# KiCad board slime88.kicad_pcb (continued)
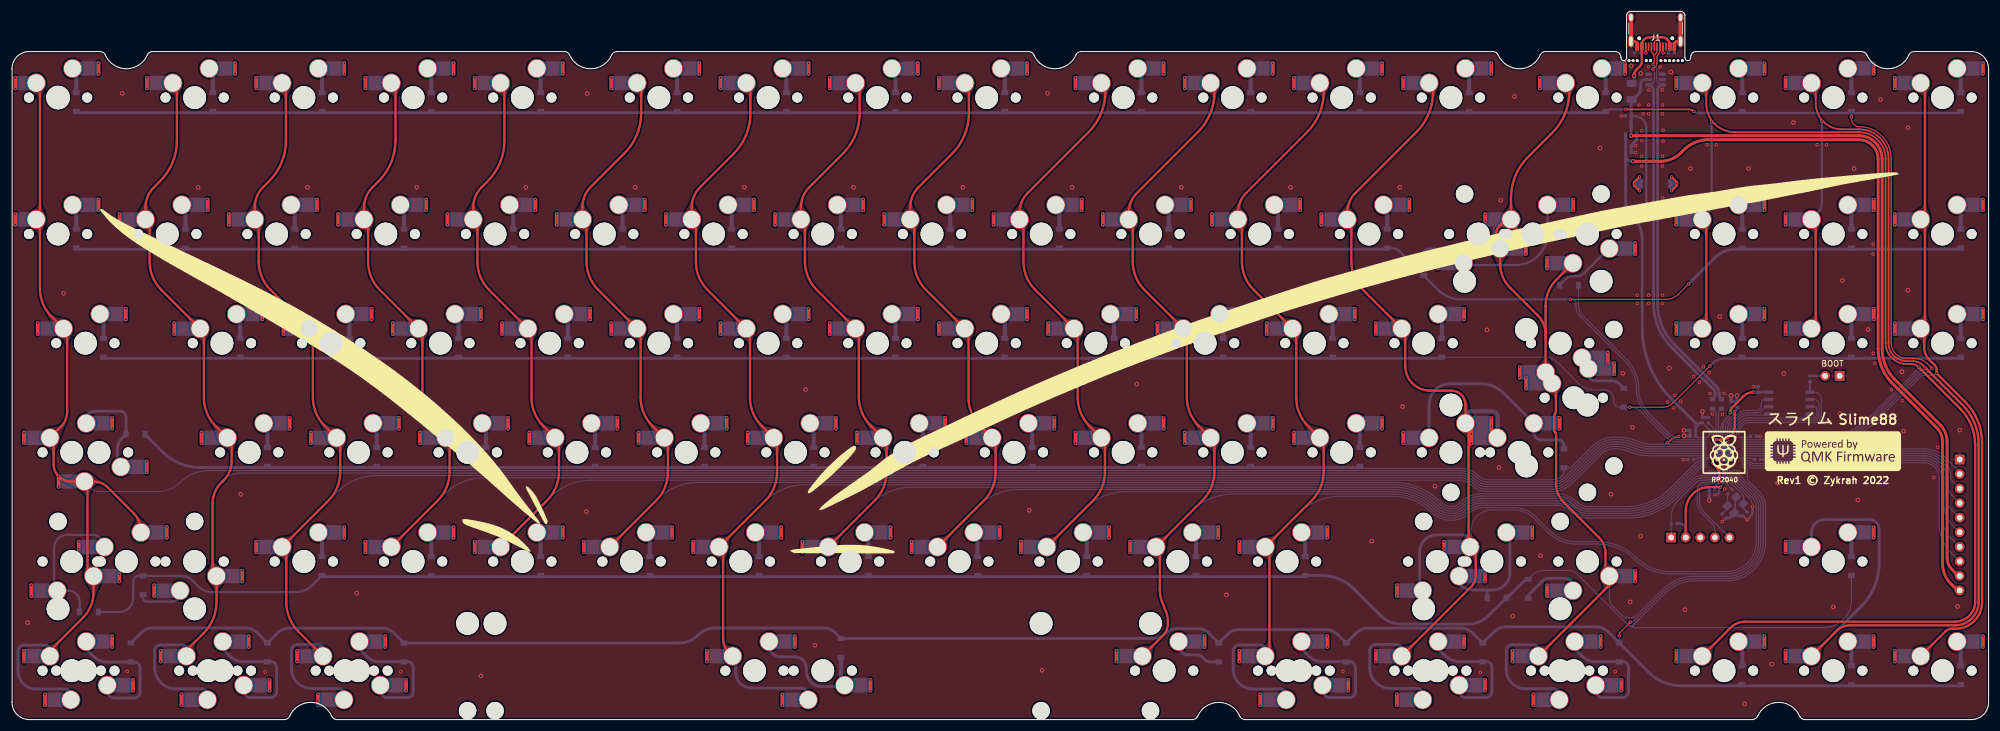
[diagram p0: board, top side]
## Nets (continued)
Net-(D19-Pad2): D19.2 SW19.2
Net-(D20-Pad2): D20.2 SW20.2
Net-(D21-Pad2): D21.2 SW21.2
Net-(D22-Pad2): D22.2 SW22.2
Net-(D23-Pad2): D23.2 SW23.2
Net-(D24-Pad2): D24.2 SW24.2
Net-(D25-Pad2): D25.2 SW25.2
Net-(D26-Pad2): D26.2 SW26.2
Net-(D27-Pad2): D27.2 SW27.2
Net-(D28-Pad2): D28.2 SW28.2
Net-(D29-Pad2): D29.2 SW29.2
Net-(D30-Pad2): D30.2 SW30.2
Net-(D31-Pad2): D31.2 SW31.2 SW32.2
Net-(D32-Pad2): D32.2 SW33.1
Net-(D33-Pad2): D33.2 SW34.2
Net-(D34-Pad2): D34.2 SW35.2
Net-(D35-Pad2): D35.2 SW36.2
Net-(D36-Pad2): D36.2 SW37.2
Net-(D37-Pad2): D37.2 SW38.2
Net-(D38-Pad2): D38.2 SW39.2
Net-(D39-Pad2): D39.2 SW40.2
Net-(D40-Pad2): D40.2 SW41.2
Net-(D41-Pad2): D41.2 SW42.2
Net-(D42-Pad2): D42.2 SW43.2
Net-(D43-Pad2): D43.2 SW44.2
Net-(D44-Pad2): D44.2 SW45.2
Net-(D45-Pad2): D45.2 SW46.2
Net-(D46-Pad2): D46.2 SW47.2
Net-(D47-Pad2): D47.2 SW48.2
Net-(D48-Pad2): D48.2 SW49.2
Net-(D49-Pad2): D49.2 SW50.1 SW51.2
Net-(D50-Pad2): D50.2 SW52.2
Net-(D51-Pad2): D51.2 SW53.2
Net-(D52-Pad2): D52.2 SW54.2
Net-(D53-Pad2): D53.2 SW55.2 SW56.1
Net-(D54-Pad2): D54.2 SW57.2
Net-(D55-Pad2): D55.2 SW58.2
Net-(D56-Pad2): D56.2 SW59.2
Net-(D57-Pad2): D57.2 SW60.2
Net-(D58-Pad2): D58.2 SW61.2
Net-(D59-Pad2): D59.2 SW62.2
Net-(D60-Pad2): D60.2 SW63.2
Net-(D61-Pad2): D61.2 SW64.2
Net-(D62-Pad2): D62.2 SW65.2
Net-(D63-Pad2): D63.2 SW66.2
Net-(D64-Pad2): D64.2 SW67.2
Net-(D65-Pad2): D65.2 SW68.1 SW69.2
Net-(D66-Pad2): D66.2 SW70.2 SW71.1
Net-(D67-Pad2): D67.2 SW72.2
Net-(D68-Pad2): D68.2 SW73.2
Net-(D69-Pad2): D69.2 SW74.2
Net-(D70-Pad2): D70.2 SW75.2
Net-(D71-Pad2): D71.2 SW76.2
Net-(D72-Pad2): D72.2 SW77.2
Net-(D73-Pad2): D73.2 SW78.2
Net-(D74-Pad2): D74.2 SW79.2
Net-(D75-Pad2): D75.2 SW80.2
Net-(D76-Pad2): D76.2 SW81.2
Net-(D77-Pad2): D77.2 SW82.2
Net-(D78-Pad2): D78.2 SW83.1 SW84.2
Net-(D79-Pad2): D79.2 SW85.2
Net-(D80-Pad2): D80.2 SW86.2
Net-(D81-Pad2): D81.2 SW87.2 SW88.1
Net-(D82-Pad2): D82.2 SW89.2 SW90.1
Net-(D83-Pad2): D83.2 SW91.2 SW92.1
Net-(D84-Pad2): D84.2 SW93.2 SW94.1
Net-(D85-Pad2): D85.2 SW95.2
Net-(D86-Pad2): D86.2 SW96.2 SW97.1
Net-(D87-Pad2): D87.2 SW98.2 SW99.1
Net-(D88-Pad2): D88.2 SW100.2 SW101.1
Net-(D89-Pad2): D89.2 SW102.2
Net-(D90-Pad2): D90.2 SW103.2
Net-(D91-Pad2): D91.2 SW104.2

Pads without a net: J1 A8 B8; J3 MP; U3 1 6

## Via types
v1: diameter 0.6, hole 0.3, Top to Bottom, 518 vias
v2: diameter 0.8, hole 0.4, Top to Bottom, 79 vias

## Routing (per net, layer and track width the routed paths; a pad name or vN(x,y) marks a point on that pad's centre or on a via; arc(x,y) is an arc through that point)
+1V1: length 23.4
  Top w0.4: v1(296.56,44.76) 297.09,44.24 arc(297.57,43.52) 297.74,42.67 v1(297.74,41.44) ; v1(300.41,53.74) 300.41,51.23 arc(299.71,49.54) 298.02,48.84 v1(296.84,48.84)
  Bottom w0.2: 296.74,48.99 U2.45 296.74,50.55 arc(296.68,50.84) 296.52,51.09 C1.1 ; v1(297.74,41.44) 297.94,41.64 U2.23 ; U2.50 298.74,50.52 arc(298.97,51.67) 299.62,52.64 300.2,53.23 arc(300.36,53.46) v1(300.41,53.74)
  Bottom w0.3: 296.59,45.45 296.59,44.78 v1(296.56,44.76)
  Bottom w0.4: C2.1 296.92,40.42 arc(296.96,40.61) 297.07,40.77 v1(297.74,41.44) ; v1(300.41,53.74) 300.65,53.98 arc(300.78,54.17) 300.82,54.4 C3.1
+3V3: length 241.1
  Top w0.4: v1(297.94,40.58) 297.93,40.57 295.83,40.57 arc(293.01,39.27) 291.85,36.39 J2.2 ; v1(303.64,57.13) arc(302.72,56.95) 301.94,56.42 300.05,54.54 arc(299.74,54.08) v1(299.63,53.53)
  Top w0.5: J4.10 339.26,22.52 338.12,23.66 arc(337.02,25.3) 336.64,27.25 336.64,48.46 arc(336.37,49.79) 335.61,50.93 327.92,58.62 arc(326.06,61.41) 325.41,64.7 325.41,97.81 arc(324.42,100.19) 322.03,101.18 295.75,101.18 arc(293.49,100.73) 291.57,99.45 291.02,98.89 arc(289.39,97.81) 287.48,97.42 v2(282.66,97.42)
  Bottom w0.2: 299.07,52.67 298.72,52.32 arc(298.14,51.45) 297.94,50.42 U2.48 ; 299.07,52.67 299.42,53.02 arc(299.58,53.25) v1(299.63,53.53) ; 299.07,52.67 arc(298.53,51.85) 298.34,50.89 U2.49 ; C10.1 293.82,49.23 U2.42 295.62,49.23 295.94,49.54 ; 295.89,45.62 U2.33 294.08,45.62 arc(293.9,45.59) 293.74,45.48 arc(293.6,45.39) 293.44,45.36 C6.1 ; 295.94,49.54 296.34,49.94 U2.44 ; 295.94,49.54 U2.43 ; 301.2,49.23 U2.1 302.79,49.23 303,49.44 C12.1 ; 295.94,50.61 296.34,50.21 U2.44 ; 295.94,50.61 C5.1 ; 295.94,50.61 U2.43 ; U2.49 298.34,49.34 ; U2.49 U2.48 ; U2.43 U2.44 ; 301.21,45.62 U2.10 303.08,45.62 arc(303.27,45.59) 303.43,45.48 arc(303.54,45.41) 303.67,45.38 C8.1 ; U2.48 297.94,49.33 ; v1(297.94,40.58) 298.04,40.69 arc(298.26,41.01) 298.34,41.39 U2.22 298.34,43.92
  Bottom w0.4: J2.2 291.91,31.83 291.91,33.02 arc(291.57,33.85) 290.74,34.19 R1.1 ; v1(297.94,40.58) 297.69,40.34 297.69,39.72 arc(297.55,39.37) 297.19,39.22 C9.1 ; C7.1 299.78,54.16 299.63,54.02 v1(299.63,53.53)
  Bottom w0.5: U4.8 304.5,57.12 C17.1 v1(303.64,57.13) ; v2(282.66,97.42) 282.4,97.42 arc(281.69,97.72) 281.4,98.42 C4.1 ; C10.1 C11.1 293.59,51.12 294.24,51.77 C5.1 ; U1.2 281.4,98.99 281.38,98.97 281.38,90.71 arc(281.69,89.1) 282.61,87.74 282.76,87.59 arc(283.87,85.92) 284.27,83.94 284.27,68.28 arc(285.59,61.61) 289.37,55.95 293.9,51.43
+5V: length 154.5
  Top w0.5: v2(282.35,101.89) 322.06,101.89 arc(324.92,100.7) 326.11,97.84 326.11,64.7 arc(326.68,61.79) 328.33,59.32 336.21,51.44 arc(337.12,50.09) 337.43,48.5 337.43,28.27 arc(337.66,27.13) 338.31,26.15 339.4,25.06 J4.9
  Bottom w0.4: J3.1 284.99,89.73 284.99,103.3 arc(284.4,104.72) 282.98,105.31 C13.2
  Bottom w0.5: v2(282.35,101.89) U1.3 282.34,103.65 282.34,108.1 F1.2 282.68,108.18 283.5,109.01 ; 284,110.21 284,110.93 arc(284.2,111.43) 284.68,111.68 285.41,111.68 U3.5 ; 284,110.21 arc(283.88,109.56) 283.5,109.01 ; 284,110.21 arc(283.88,109.56) 283.5,109.01
GND: length 49.4
  Top w0.5: J1.A1 289.88,117.99 290.1,118.21 arc(290.25,118.31) 290.43,118.35 J1.S1 ; J1.S1 282.77,118.35 arc(283.02,118.3) 283.24,118.15 283.38,118.01 J1.A12
  Top w0.7: J1.S1 J1.S1 ; J1.S1 J1.S1
  Bottom w0.2: v1(303.5,37.14) 303.5,37.28 arc(303.35,38.05) 302.92,38.7 300.03,41.58 arc(299.67,42.13) 299.54,42.77 U2.19
  Bottom w0.3: Y1.4 300.47,36.25 300.47,38.65
  Bottom w0.4: 282.34,98.97 v1(283.12,98.97) ; C15.1 v1(302.54,34.84) 303.21,35.51 arc(303.43,35.83) 303.5,36.21 v1(303.5,37.14) ; C8.2 304.87,45.38 v1(305.68,45.38) ; C14.1 v1(283.13,100.13) ; C13.1 280.61,105.31 v1(280.6,105.3) ; v1(304.85,49.44) C12.2 ; v1(298.22,34.55) 298.86,35.18 C16.1 ; C6.2 v1(291.42,45.36)
  Bottom w0.5: C16.1 299.13,35.18 arc(299.51,35.26) 299.83,35.47 300.31,35.95 Y1.4 300.58,35.81 arc(300.9,35.6) 301.28,35.52 C15.1 ; v2(291.56,50.46) C11.2 C10.2 291.6,49.46 v2(291.54,49.52) ; U1.1 283.3,101.12 282.34,100.16 282.34,98.97 ; v2(295.96,38.25) C9.2 C2.2 ; C17.2 v1(303.63,58.09) ; C1.2 295.82,52.73 C5.2 294.78,53.77 v2(294.78,53.77) ; v2(299.76,56.53) 299.76,55.46 C7.2 C3.2 300.81,55.46 v2(300.81,56.53)
  vias: v1(20.1,8.39) v1(44.14,8.31) v1(67.8,8.35) v1(232.07,8.39) v1(256.04,8.26) v1(279.56,8.35) v1(283.4,74.05) v1(283.42,72.61) v1(283.71,107.24) v1(284.18,102.75) v1(284.18,101.03) v1(284.18,98.29) v1(284.18,96.57) v1(284.42,105.72) v1(285.41,113.91) v1(285.38,107.24) v1(285.38,105.72) v1(285.38,88.24) v1(285.38,74.05) v1(285.4,72.61) v1(285.44,109.87) v1(287.38,113.89) v1(287.77,109.89) v1(287.81,107.24) v1(287.81,105.72) v1(287.81,98.3) v1(287.8,96.58) v1(287.81,91) v1(287.81,88.24) v1(287.81,74.04) v1(287.8,72.61) v1(287.91,102.85) v1(287.91,100.92) v1(288.71,55.41) v1(289.73,54.39) v1(289.97,56.57) v1(290.96,55.57) v1(293.25,59.87) v1(294.25,58.87) v1(294.96,61.56) v1(295.56,100.32) v1(295.96,60.57) v1(296.11,56.9) v1(296.5,53.32) v1(297.18,100.32) v1(298.25,53.25) v1(298.55,56.9) v1(298.66,40.21) v1(314.78,100.32) v1(316.41,100.32) v1(324.55,82.95) v1(324.54,81.22) v1(324.56,63.91) v1(324.88,62.18) v1(327.75,57.57) v1(329.65,55.67) v1(335.13,42.23) v1(335.79,47.49) v2(2.72,16.91) v2(9.01,74.38) v2(19.21,109.29) v2(32.45,92.88) v2(39.87,39.32) v2(51.51,92.88) v2(60.09,22.07) v2(62.7,58.75) v2(70.56,92.88) v2(81.77,7.62) v2(89.61,92.88) v2(100.13,36.3) v2(100.3,109.23) v2(108.66,92.88) v2(127.7,92.88) v2(138.38,57.59) v2(140.02,12.95) v2(146.75,92.88) v2(165.81,92.88) v2(177.39,36.52) v2(179.61,8.6) v2(180.6,109.29) v2(184.86,92.88) v2(196.11,58.53) v2(203.91,92.88) v2(211.75,21.77) v2(222.96,92.88) v2(237.11,31.13) v2(242,92.88) v2(242.48,54.6) v2(248.12,40.73) v2(257.19,68.01) v2(259.3,43.97) v2(259.6,90.63) v2(261.68,18.04) v2(262,108.73) v2(266.53,28.6) v2(271.69,86.72) v2(276.9,99.75) v2(278.81,39.32) v2(280.91,60.4) v2(282.18,20.53) v2(282.32,114.08) v2(282.56,50.99) v2(284.02,112.77) v2(283.94,32) v2(289,61.33) v2(289.28,113.01) v2(291.72,19.17) v2(292.68,96.16) v2(297.8,70.32) v2(302.1,2.75) v2(302.79,96.16) v2(306.86,9.67) v2(307.9,41.25) v2(308.97,60.39) v2(310.63,104.18) v2(317.59,19.64) v2(318.79,53.38) v2(319.16,76.6) v2(321.22,96.16) v2(321.88,38.31) v2(323.67,68.07) v2(325.81,108.18) v2(329.56,60.71) v2(329.86,50.33) v2(330.61,103.29) v2(330.59,74.92) v2(339.28,19.74) v2(339.65,50.5)
VBUS: length 14.1
  Top w0.25: 284.18,115.17 284.18,114.75
  Top w0.4: 284.18,115.17 J1.A9 284.18,117.81 arc(284.26,118.19) 284.47,118.52 284.65,118.69 arc(285.06,118.96) 285.54,119.06 287.83,119.06 arc(288.21,118.98) 288.54,118.76 288.79,118.52 arc(289.01,118.19) 289.08,117.81 J1.A4 ; v2(282.87,112.34) 282.87,112.49 arc(282.97,112.98) 283.25,113.4 283.89,114.04 arc(284.11,114.37) 284.18,114.75
  Bottom w0.5: F1.1 282.87,111.44 v2(282.87,112.34)
(no net): length 13
  Top w0.4: 289.4,92.3 v1(289.41,92.29) 290.31,93.19 v1(290.31,93.5) 290.31,93.79 v1(289.4,94.7) ; v1(283.8,94.7) 282.88,93.79 v1(282.88,93.49) 282.88,93.2 v1(283.8,92.29)
  Bottom w0.5: J3.MP v1(283.8,94.7) ; J3.MP 282.89,93.49 v1(282.88,93.49) ; J3.MP v1(283.8,92.29) ; J3.MP v1(289.4,94.7) ; J3.MP 290.3,93.49 v1(290.31,93.5) ; J3.MP 289.4,92.3 v1(289.41,92.29)
/CC1: length 2.1
  Top w0.2: J1.A5 287.88,116.34 v1(287.9,116.33)
  Bottom w0.2: R6.1 288.78,116.33 v1(287.9,116.33)
/CC2: length 2.1
  Top w0.2: J1.B5 284.88,116.35 v1(284.88,116.35)
  Bottom w0.2: R7.1 284.84,116.39 v1(284.88,116.35)
/D_+: length 4.4
  Bottom w0.2: R2.2 297.86,54.01 arc(297.62,53.65) 297.54,53.23 U2.47
/D_-: length 4.4
  Bottom w0.2: R3.2 296.84,53.92 arc(297.06,53.6) 297.14,53.22 U2.46
/XTAL_O: length 3.8
  Bottom w0.2: 299.11,39.27 Y1.1 299.11,36.77 C16.2
/~{USB_BOOT}: length 2.6
  Bottom w0.4: R5.1 SW0.2
COL0: length 453.7
  Top w0.4: SW1.1 4.87,110.43 4.87,87.92 4.22,87.27 4.87,86.62 4.87,75.23 arc(5.4,72.55) 6.92,70.28 SW37.1 9.62,67.58 9.62,53.72 arc(9.33,52.3) 8.53,51.1 SW55.1 7.25,48.52 7.25,44.55 arc(8.12,42.42) 10.25,41.55 12.62,41.55 ; SW71.2 22.47,32.99 arc(22.15,34.61) 21.23,35.98 16.72,40.49 arc(15.55,41.27) 14.18,41.55 SW56.2 13.16,41.02 13.16,26.1 SW70.1 14.22,22.24 arc(13.73,19.82) 12.36,17.77 6.6,12 SW87.1
  Top w0.6: v1(18.73,24.09) v1(18.73,25.33) ; v1(26.99,33.59) v1(26.99,31.72) ; v1(0.6,88.2) v1(0.6,86.33) ; v1(0.6,112.02) v1(0.6,110.14) ; v1(8.11,40.6) v1(8.11,42.49) ; v1(4.47,69.16) v1(4.47,67.28) ; v1(2.08,12) v1(2.08,10.12) ; v1(5.73,2.5) v1(5.73,4.38) ; v1(2.08,50.11) v1(2.08,48.23)
  Bottom w0.2: U2.38 285.93,47.62 arc(284.87,47.71) 283.83,47.98 282.46,48.46 arc(281.26,48.76) 280.02,48.87 279.33,48.87 arc(277.46,48.5) 275.87,47.44 270.74,42.31 arc(269.78,41.67) 268.65,41.44 257.33,41.44 arc(256.32,41.64) 255.47,42.21 arc(254.12,43.12) 252.52,43.43 34.19,43.43 arc(31.59,42.91) 29.38,41.44 arc(27.54,40.21) 25.37,39.78 15.3,39.78 arc(14.46,39.94) 13.76,40.41 SW56.2
  Bottom w0.5: 6.63,10.96 6.63,12.45 6.38,12.7 arc(6.06,12.92) 5.67,12.99 2.04,12.99 arc(1.33,12.7) 1.04,11.99 1.04,8.49 arc(1.97,6.25) 4.2,5.32 9.23,5.32 arc(9.62,5.25) 9.94,5.03 10.29,4.69 10.29,3.34
COL1: length 427.2
  Top w0.4: SW89.1 30.41,12.07 33.37,15.03 arc(35.05,17.56) 35.65,20.53 SW72.1 34.98,25.71 34.98,37.73 arc(35.36,39.64) 36.44,41.26 36.84,41.66 arc(37.92,43.29) 38.31,45.2 38.31,48.41 SW57.1 35.51,51.21 arc(33.99,53.48) 33.45,56.16 33.45,67.55 SW38.1 26.05,74.96 arc(24.53,77.23) 24,79.91 24,86.53 23.27,87.27 23.27,89.34 arc(23.65,91.25) 24.73,92.87 25.82,93.96 arc(27.98,97.2) 28.75,101.03 28.75,110.36 SW2.1
  Top w0.6: v1(18.75,88.2) v1(18.75,86.33) ; v1(40.16,24.09) v1(40.16,25.97) ; v1(28.28,69.16) v1(28.28,67.28) ; v1(23.52,112.02) v1(23.52,110.14) ; v1(29.54,2.5) v1(29.54,4.38) ; v1(25.9,12) v1(25.9,10.12) ; v1(33.04,50.11) v1(33.04,48.23)
  Bottom w0.2: U2.37 285.77,47.23 arc(284.63,47.32) 283.53,47.61 282.22,48.07 arc(281.09,48.37) 279.92,48.47 279.33,48.47 arc(277.62,48.13) 276.17,47.16 271.03,42.02 arc(269.95,41.29) 268.67,41.04 257.25,41.04 arc(256.16,41.26) 255.23,41.88 arc(253.97,42.72) 252.48,43.02 40,43.02 arc(36.45,41.55) 34.98,37.99 34.98,25.71 SW72.1
  Bottom w0.5: 34.12,3.38 34.12,4.73 33.77,5.07 arc(33.45,5.29) 33.06,5.36 28.56,5.36 arc(25.95,6.44) 24.87,9.06 24.87,12.03 arc(25.16,12.74) 25.87,13.03 29.5,13.03 arc(29.89,12.96) 30.21,12.74 30.46,12.49 30.46,11
COL2: length 406.4
  Top w0.4: SW91.1 49.99,15.29 arc(48.38,17.71) 47.81,20.55 47.81,29.38 SW73.1 55.17,38.21 arc(56.69,40.48) 57.23,43.16 57.23,48.54 SW58.1 54.51,51.26 arc(52.99,53.53) 52.45,56.21 52.45,67.6 SW39.1 45.06,75 arc(43.54,77.27) 43.01,79.95 43.01,86.58 42.31,87.27 42.31,89.37 arc(42.7,91.28) 43.78,92.9 44.83,93.95 arc(46.99,97.19) 47.76,101.02 47.76,110.4 SW3.1
  Top w0.6: v1(52.09,50.11) v1(52.09,48.23) ; v1(49.71,12) v1(49.71,10.12) ; v1(53.36,3.29) v1(53.36,4.38) ; v1(47.33,69.16) v1(47.33,67.28) ; v1(37.8,88.2) v1(37.8,86.33) ; v1(42.56,31.06) v1(42.56,29.18) ; v1(42.56,112.02) v1(42.56,110.14)
  Bottom w0.2: U2.36 285.63,46.83 arc(284.43,46.93) 283.27,47.23 281.98,47.69 arc(280.92,47.97) 279.82,48.07 279.34,48.07 arc(277.8,47.76) 276.48,46.88 276.48,46.88 271.32,41.71 arc(270.12,40.91) 268.7,40.63 257.21,40.63 arc(256.01,40.87) 255,41.54 arc(253.83,42.32) 252.46,42.6 63.7,42.6 arc(59.87,41.84) 56.63,39.67 SW73.1
  Bottom w0.5: 57.95,3.42 57.95,4.77 57.61,5.11 arc(57.29,5.33) 56.9,5.4 52.25,5.4 arc(49.75,6.44) 48.71,8.95 48.71,12.07 arc(49,12.78) 49.71,13.07 53.34,13.07 arc(53.73,13) 54.05,12.78 54.3,12.53 54.3,11.04
COL3: length 338.8
  Top w0.4: SW4.1 66.87,110.34 66.87,101.03 arc(66.1,97.2) 63.94,93.96 62.83,92.85 arc(61.75,91.23) 61.37,89.32 61.37,87.27 62.09,86.55 62.09,79.92 arc(62.62,77.24) 64.14,74.97 SW40.1 71.56,67.54 71.56,56.15 arc(72.1,53.47) 73.62,51.2 SW59.1 76.3,48.52 76.3,43.18 arc(75.76,40.5) 74.24,38.23 SW74.1
  Top w0.6: v1(61.62,112.02) v1(61.62,110.14) ; v1(66.38,69.16) v1(66.38,67.28) ; v1(56.85,88.2) v1(56.85,86.33) ; v1(61.62,31.06) v1(61.62,29.18) ; v1(71.14,50.11) v1(71.14,48.23)
  Bottom w0.2: SW74.1 75.28,39.27 arc(78.53,41.44) 82.35,42.2 252.41,42.2 arc(253.68,41.95) 254.75,41.23 arc(255.88,40.47) 257.21,40.21 268.74,40.21 arc(270.28,40.52) 271.58,41.38 276.8,46.61 arc(277.98,47.39) 279.36,47.67 279.74,47.67 arc(280.75,47.58) 281.73,47.32 283.01,46.86 arc(284.26,46.54) 285.54,46.42 U2.35
COL4: length 319.5
  Top w0.4: SW5.1 85.86,110.4 85.86,101 arc(85.09,97.17) 82.93,93.93 81.88,92.88 arc(80.8,91.26) 80.42,89.35 80.42,87.27 81.16,86.53 81.16,79.9 arc(81.69,77.22) 83.21,74.95 SW41.1 90.58,67.57 90.58,56.18 arc(91.12,53.5) 92.64,51.23 SW60.1 95.38,48.49 95.38,43.21 arc(94.84,40.53) 93.32,38.26 SW75.1
  Top w0.6: v1(85.43,69.16) v1(85.43,67.28) ; v1(80.67,112.02) v1(80.67,110.14) ; v1(80.67,31.06) v1(80.67,29.18) ; v1(90.19,50.11) v1(90.19,48.23) ; v1(75.9,88.2) v1(75.9,86.33)
  Bottom w0.2: SW75.1 93.92,38.86 arc(97.16,41.02) 100.99,41.79 252.39,41.79 arc(253.54,41.56) 254.51,40.91 arc(255.73,40.09) 257.16,39.81 268.76,39.81 arc(270.45,40.14) 271.87,41.1 277.08,46.3 arc(278.14,47.01) 279.39,47.26 279.65,47.26 arc(280.59,47.18) 281.5,46.94 282.69,46.51 arc(284.05,46.15) 285.46,46.03 U2.34
COL5: length 304
  Top w0.4: SW6.1 109.71,110.35 109.71,105.88 arc(108.95,102.05) 106.79,98.81 100.93,92.95 arc(99.85,91.33) 99.46,89.42 99.46,87.27 100.17,86.56 100.17,79.93 arc(100.71,77.25) 102.23,74.98 SW42.1 109.61,67.6 109.61,56.21 arc(110.14,53.53) 111.66,51.26 SW61.1 114.38,48.54 114.38,43.16 arc(113.84,40.48) 112.32,38.21 SW76.1
  Top w0.6: v1(94.95,88.2) v1(94.95,86.33) ; v1(104.48,112.02) v1(104.48,110.14) ; v1(99.71,31.06) v1(99.71,29.18) ; v1(109.24,50.11) v1(109.24,48.23) ; v1(104.48,69.16) v1(104.48,67.28)
  Bottom w0.2: U2.32 294.68,45.22 arc(294.09,45.11) 293.59,44.78 289.08,40.26 arc(285.65,37.97) 281.62,37.17 274.74,37.17 arc(273.78,37.36) 272.97,37.9 arc(271.31,39.01) 269.35,39.4 256.26,39.4 arc(254.28,39.01) 252.61,37.89 arc(250.91,37.19) 249.22,37.89 arc(245.36,40.47) 240.8,41.38 119.63,41.38 arc(115.81,40.62) 112.56,38.45 SW76.1
COL6: length 327.2
  Top w0.4: SW93.1 124.99,11.73 arc(124.25,12.84) 123.99,14.14 123.99,29.4 SW77.1 131.35,38.19 arc(132.87,40.46) 133.41,43.14 133.41,48.56 SW62.1 130.73,51.24 arc(129.21,53.51) 128.68,56.19 128.68,67.58 SW43.1 121.3,74.96 arc(119.78,77.23) 119.24,79.91 119.24,86.53 118.52,87.27 118.52,89.35 arc(118.9,91.26) 119.98,92.88 125.83,98.73 arc(127.99,101.97) 128.75,105.8 128.75,110.36 SW7.1
  Top w0.6: v1(121.15,12) v1(121.15,10.12) ; v1(123.53,69.16) v1(123.53,67.28) ; v1(123.53,112.02) v1(123.53,110.14) ; v1(118.77,31.06) v1(118.77,29.18) ; v1(114,88.2) v1(114,86.33) ; v1(128.29,50.11) v1(128.29,48.23) ; v1(134.32,2.5) v1(134.32,4.38)
  Bottom w0.2: SW77.1 131.21,38.04 arc(134.45,40.21) 138.28,40.97 240.81,40.97 arc(245.21,40.1) 248.93,37.61 arc(250.92,36.79) 252.9,37.61 arc(254.44,38.64) 256.26,39 269.35,39 arc(271.15,38.64) 272.69,37.62 arc(273.63,36.99) 274.74,36.77 281.64,36.77 arc(285.81,37.6) 289.35,39.96 293.87,44.49 arc(294.25,44.74) 294.69,44.83 295.1,44.83
  Bottom w0.5: SW93.1 126.2,10.53 126.2,8.3 arc(127.02,6.3) 129.02,5.48 137.66,5.48 arc(138.04,5.4) 138.37,5.18 138.83,4.72 SW94.2
COL7: length 265.5
  Top w0.4: SW78.1 150.43,38.22 arc(151.95,40.49) 152.49,43.17 152.49,48.53 SW63.1 149.72,51.3 arc(148.2,53.57) 147.67,56.25 147.67,67.64 SW44.1 140.32,74.99 arc(138.8,77.26) 138.26,79.94 138.26,86.56 137.56,87.27 137.56,89.36 arc(137.95,91.27) 139.03,92.89 144.88,98.74 arc(147.04,101.98) 147.81,105.81 147.81,110.36 SW8.1
  Top w0.6: v1(142.58,69.16) v1(142.58,67.28) ; v1(147.34,50.11) v1(147.34,48.23) ; v1(133.05,88.2) v1(133.05,86.33) ; v1(137.81,31.06) v1(137.81,29.18) ; v1(142.58,112.02) v1(142.58,110.14)
  Bottom w0.2: U2.30 294.7,44.43 arc(294.41,44.37) 294.16,44.2 289.63,39.67 arc(285.97,37.23) 281.65,36.37 274.73,36.37 arc(273.47,36.62) 272.4,37.33 arc(271.01,38.26) 269.37,38.59 256.25,38.59 arc(254.58,38.26) 253.17,37.32 arc(250.92,36.38) 248.66,37.32 arc(245.06,39.72) 240.83,40.56 156.91,40.56 arc(153.09,39.8) 149.84,37.63 SW78.1
COL8: length 246.3
  Top w0.4: SW9.1 166.86,110.36 166.86,105.81 arc(166.09,101.98) 163.93,98.74 158.08,92.89 arc(157,91.27) 156.62,89.36 156.62,87.27 157.33,86.55 157.33,79.92 arc(157.87,77.24) 159.39,74.97 SW45.1 166.79,67.57 166.79,56.18 arc(167.32,53.5) 168.84,51.23 SW64.1 171.51,48.55 171.51,43.15 arc(170.98,40.47) 169.46,38.2 SW79.1
  Top w0.6: v1(161.63,112.02) v1(161.63,110.14) ; v1(161.63,69.16) v1(161.63,67.28) ; v1(156.87,31.06) v1(156.87,29.18) ; v1(166.39,50.11) v1(166.39,48.23) ; v1(152.1,88.2) v1(152.1,86.33)
  Bottom w0.2: SW79.1 168.48,37.22 arc(171.73,39.39) 175.55,40.15 240.84,40.15 arc(244.92,39.34) 248.38,37.03 arc(250.92,35.97) 253.45,37.03 arc(254.73,37.88) 256.24,38.18 269.39,38.18 arc(270.86,37.89) 272.11,37.05 arc(273.31,36.25) 274.73,35.97 281.67,35.97 arc(286.13,36.85) 289.91,39.38 294.44,43.91 arc(294.57,43.99) 294.72,44.03 U2.29
COL9: length 229.9
  Top w0.4: SW10.1 190.66,110.38 190.66,109.57 arc(189.89,105.75) 187.73,102.5 177.13,91.9 arc(176.05,90.28) 175.67,88.37 175.67,87.27 176.38,86.56 176.38,79.93 arc(176.91,77.25) 178.43,74.98 SW46.1 185.82,67.58 185.82,56.19 arc(186.36,53.51) 187.88,51.24 SW65.1 190.58,48.53 190.58,43.17 arc(190.05,40.49) 188.53,38.22 SW80.1
  Top w0.6: v1(171.15,88.2) v1(171.15,86.33) ; v1(185.44,50.11) v1(185.44,48.23) ; v1(175.92,31.06) v1(175.92,29.18) ; v1(180.68,69.16) v1(180.68,67.28) ; v1(185.44,112.02) v1(185.44,110.14)
  Bottom w0.2: SW80.1 187.13,36.82 arc(190.38,38.99) 194.2,39.75 240.82,39.75 arc(244.76,38.97) 248.1,36.74 arc(250.92,35.57) 253.73,36.74 arc(254.89,37.51) 256.25,37.78 269.38,37.78 arc(270.7,37.52) 271.82,36.77 arc(273.15,35.88) 274.72,35.57 281.69,35.57 arc(286.28,36.48) 290.18,39.08 293.05,41.96 arc(293.73,42.41) 294.53,42.57 295.67,42.57 arc(295.86,42.65) 295.94,42.83 U2.28
COL10: length 234.5
  Top w0.4: SW95.1 200.72,14.69 arc(201.33,15.6) 201.55,16.68 201.55,17.22 arc(201.46,18.08) 201.21,18.91 200.62,20.31 arc(200.27,21.48) 200.14,22.7 200.14,29.45 SW81.1 207.61,38.25 arc(209.13,40.52) 209.67,43.2 209.67,48.5 SW66.1 206.92,51.25 arc(205.4,53.52) 204.87,56.2 204.87,67.59 SW47.1 197.48,74.98 arc(195.96,77.25) 195.43,79.93 195.43,86.56 194.71,87.27 194.71,88.37 arc(195.1,90.28) 196.18,91.9 206.77,102.49 arc(208.93,105.74) 209.69,109.56 209.69,110.39 SW11.1
  Top w0.6: v1(194.96,31.06) v1(194.96,29.18) ; v1(204.49,112.02) v1(204.49,110.14) ; v1(204.49,50.11) v1(204.49,48.23) ; v1(190.2,88.2) v1(190.2,86.33) ; v1(192.58,12) v1(192.58,10.12) ; v1(199.73,69.16) v1(199.73,67.28)
  Bottom w0.2: SW81.1 205.78,36.42 arc(209.03,38.59) 212.85,39.35 240.82,39.35 arc(244.6,38.6) 247.81,36.45 arc(250.92,35.16) 254.03,36.45 arc(255.06,37.14) 256.27,37.38 269.38,37.38 arc(270.55,37.15) 271.54,36.49 arc(273,35.51) 274.72,35.17 281.71,35.17 arc(286.44,36.11) 290.44,38.78 293.3,41.64 arc(293.88,42.03) 294.57,42.17 295.69,42.17 arc(296.15,42.36) 296.34,42.81 U2.27
COL11: length 263.6
  Top w0.4: SW96.1 219.28,11.81 219.28,29.37 SW82.1 226.67,38.26 arc(228.19,40.53) 228.73,43.21 228.73,48.49 SW67.1 226,51.22 arc(224.48,53.49) 223.94,56.17 223.94,67.56 SW48.1 216.52,74.99 arc(215,77.26) 214.46,79.94 214.46,86.56 213.76,87.27 213.76,88.37 arc(214.15,90.28) 215.23,91.9 225.82,102.49 arc(227.98,105.74) 228.75,109.56 228.75,110.39 SW12.1
  Top w0.6: v1(209.25,88.2) v1(209.25,86.33) ; v1(217.66,2.5) v1(217.66,4.38) ; v1(218.78,69.16) v1(218.78,67.28) ; v1(214.01,12) v1(214.01,10.12) ; v1(223.54,50.11) v1(223.54,48.23) ; v1(214.01,31.06) v1(214.01,29.18) ; v1(223.54,112.02) v1(223.54,110.14)
  Bottom w0.2: 272.77,31.03 276.53,31.03 arc(280.17,30.3) 283.25,28.24 arc(285.96,26.44) 289.15,25.8 298.93,25.8 arc(302.62,27.33) 304.15,31.03 304.15,36.97 arc(303.96,37.95) 303.4,38.79 300.31,41.88 arc(300.03,42.29) 299.94,42.78 U2.18 ; 268.13,32.95 265.71,35.37 arc(263.92,36.56) 261.82,36.98 256.28,36.98 arc(255.22,36.77) 254.31,36.16 arc(250.92,34.76) 247.53,36.16 arc(244.44,38.23) 240.8,38.95 231.5,38.95 arc(227.68,38.19) 224.43,36.02 SW82.1 ; 272.75,31.03 arc(270.24,31.53) 268.11,32.96
  Bottom w0.5: 222.19,3.35 222.19,4.7 221.85,5.04 arc(221.53,5.26) 221.14,5.33 216.41,5.33 arc(213.96,6.35) 212.95,8.79 212.95,12 arc(213.24,12.71) 213.95,13 217.58,13 arc(217.97,12.93) 218.29,12.71 218.54,12.46 218.54,10.97
COL12: length 284.1
  Top w0.4: SW98.1 254.42,23.15 arc(255.03,24.06) 255.25,25.13 255.25,29.12 SW84.1 254,30.36 254,46.11 ; 254,46.11 254,47.21 arc(254.1,47.69) 254.37,48.1 v1(254.5,48.23) ; 254,46.11 254,51.15 SW68.2 253.45,54.96 arc(252.74,56.68) 251.01,57.4 247.25,57.4 arc(244.21,58.66) 242.94,61.71 242.94,67.61 SW49.1 235.6,74.96 arc(234.08,77.23) 233.55,79.91 233.55,86.53 232.81,87.27 232.81,88.37 arc(233.2,90.28) 234.28,91.9 244.89,102.51 arc(247.05,105.76) 247.81,109.58 247.81,110.37 SW13.1
  Top w0.6: v1(241.47,2.5) v1(241.47,4.38) ; v1(228.3,88.2) v1(228.3,86.33) ; v1(237.83,12) v1(237.83,10.12) ; v1(249.73,31.06) v1(249.73,29.82) ; SW68.2 254.5,50.66 v1(254.5,49.81) v1(254.5,48.23) ; v1(237.83,69.16) v1(237.83,67.28) ; SW69.1 257.97,50.2 v1(257.97,51.07) v1(257.97,52.65) ; v1(241.47,21.56) v1(241.47,23.44) ; v1(242.59,112.02) v1(242.59,110.14)
  Bottom w0.2: SW84.1 254.43,30.3 254.43,33.13 arc(254.68,34.37) 255.38,35.41 arc(256.67,36.28) 258.2,36.58 261.81,36.58 arc(263.74,36.2) 265.38,35.1 267.81,32.67 arc(270.08,31.16) 272.75,30.63 276.53,30.63 arc(280,29.94) 282.94,27.97 arc(285.79,26.07) 289.15,25.4 298.96,25.4 arc(302.91,27.04) 304.55,31 304.55,37.03 arc(304.34,38.11) 303.73,39.03 300.6,42.15 arc(300.41,42.45) 300.34,42.79 U2.17
  Bottom w0.5: SW83.2 245.46,23.03 245.46,29.24 arc(246.33,31.36) 248.46,32.24 252.8,32.24 arc(253.46,32.11) 254.02,31.73 254.25,31.51 SW84.1 ; SW99.2 245.99,4.79 245.65,5.14 arc(245.32,5.35) 244.94,5.43 240.35,5.43 arc(237.8,6.49) 236.74,9.04 236.74,12.1 arc(237.04,12.81) 237.74,13.1 241.38,13.1 arc(241.76,13.02) 242.09,12.81 242.34,12.55 SW98.1
  Bottom w0.7: SW68.2 255.46,51.5 SW69.1 ; SW68.2 257,49.35 SW69.1 ; SW68.2 253.45,52.8 arc(253.75,53.5) 254.45,53.8 258.09,53.8 arc(258.79,53.5) 259.09,52.8 259.09,49.24 SW69.1 ; 254.73,50.41 257.81,50.41
COL13: length 242.5
  Top w0.4: 267.42,66.53 267.42,72.18 267.42,72.18 arc(267.92,74.68) 269.33,76.79 SW33.2 ; 267.42,66.53 267.42,67.19 arc(267.06,69) 266.03,70.55 264.14,72.44 264.14,72.44 261.24,75.34 arc(259.94,77.29) 259.49,79.58 SW31.1 ; 267.42,66.53 267.42,60.6 SW50.2 267.42,59.8 SW51.1 269.22,58 269.22,53.76 arc(269.19,53.57) 269.08,53.41 269.06,53.39 arc(268.95,53.23) 268.92,53.04 268.92,50.47 arc(268.95,50.28) 269.06,50.12 269.11,50.07 arc(269.22,49.91) 269.26,49.71 269.26,40.61 arc(269.71,39.14) 270.61,37.89 276.75,31.75 arc(277.58,30.5) 277.88,29.02 277.88,25.69 SW85.1 278.54,23.45 SW100.1 ; SW31.1 260.41,82.19 261.55,83.32 arc(261.98,83.97) 262.13,84.74 262.13,86.52 261.39,87.27 ; SW31.1 258.78,82.9 ; 260.49,87.27 260.49,87.27 259.38,86.16 arc(258.95,85.51) 258.8,84.75 258.8,82.92 258.78,82.9 ; 261.39,87.27 261.39,91.06 arc(262.15,94.89) 264.32,98.13 268.62,102.43 arc(270.79,105.68) 271.55,109.5 271.55,110.44 SW14.1 ; 261.39,87.27 260.49,87.27
  Top w0.6: v1(264.02,59.63) v1(264.02,57.75) ; v1(256.88,88.2) v1(256.88,86.97) ; v1(264,81.25) v1(264,82.48) ; v1(267.67,78.7) v1(267.67,80.59) ; v1(283.05,24.09) v1(283.05,25.97) ; v1(265.29,2.5) v1(265.29,4.38) ; v1(266.4,112.02) v1(266.4,110.14) ; v1(261.64,12) v1(261.64,10.12) ; v1(262.91,59.66) v1(262.91,61.53)
  Bottom w0.2: U2.16 300.74,42.8 arc(300.78,42.6) 300.89,42.43 304.04,39.28 arc(304.72,38.27) 304.95,37.07 304.95,30.98 arc(303.2,26.75) 298.97,25 293.32,25 arc(290.34,24.41) 287.82,22.72 283.32,18.23 arc(281.99,17.68) 280.66,18.23 279.2,19.69 arc(278.71,20.43) 278.54,21.3 SW85.1
  Bottom w0.4: SW31.1 258.47,83.2 258.47,86.64 257.84,87.27 ; 261.39,87.27 262.42,86.24 262.42,82.81 SW31.1
  Bottom w0.5: 266.16,11.02 266.16,12.51 265.91,12.76 arc(265.59,12.98) 265.2,13.05 261.57,13.05 arc(260.86,12.76) 260.57,12.05 260.57,8.73 arc(261.55,6.36) 263.92,5.38 268.76,5.38 arc(269.15,5.31) 269.47,5.09 269.81,4.75 269.81,3.4
COL14: length 257.9
  Top w0.3: SW15.1 295.44,110.36 295.44,107.47 arc(296.9,103.95) 300.41,102.5 322.09,102.5 arc(325.36,101.14) 326.72,97.87 326.72,65.71 arc(327.79,63.11) 330.39,62.04 331.18,62.04 arc(331.88,61.9) v1(332.47,61.5)
  Top w0.4: SW52.1 295.44,68.93 295.44,87.32 295.39,87.27 294.73,87.27 ; v1(332.47,61.5) 339.69,54.29 arc(341.65,51.35) 342.34,47.89 342.34,20.61 arc(341.3,18.11) 338.81,17.08 302.17,17.08 arc(300.85,16.81) 299.73,16.07 SW102.1
  Top w0.6: v1(290.22,69.16) v1(290.22,67.28) ; v1(290.22,112.02) v1(290.22,110.14) ; v1(290.22,88.2) v1(290.22,86.33) ; v1(290.22,12) v1(290.22,10.12)
  Bottom w0.2: v1(332.47,61.5) 332.47,61.48 arc(332.44,61.29) 332.33,61.12 324.19,52.98 arc(319.58,49.91) 314.15,48.83 U2.2
  Bottom w0.4: 294.73,87.27 295.49,88.02 arc(296.14,89) 296.37,90.15 v1(296.37,104.33)
COL15: length 267.6
  Top w0.2: v1(333.67,61.36) 333.62,61.36
  Top w0.3: SW16.1 314.53,110.33 314.53,107.57 arc(315.86,104.34) 319.09,103 322.11,103 arc(325.73,101.5) 327.23,97.89 327.23,65.71 arc(328.15,63.47) 330.4,62.54 331.56,62.54 arc(332.42,62.37) 333.14,61.88 v1(333.67,61.36)
  Top w0.4: 313.78,87.27 314.49,87.27 314.53,87.3 314.53,68.96 SW53.1 ; v1(333.67,61.36) 340.13,54.89 arc(342.21,51.79) 342.93,48.13 342.93,20.54 arc(341.73,17.64) 338.83,16.44 320.52,16.44 arc(319.25,16.19) 318.18,15.47 SW103.1
  Top w0.6: v1(309.27,31.06) v1(309.27,29.18) ; v1(309.27,12) v1(309.27,10.12) ; v1(309.27,69.16) v1(309.27,67.28) ; v1(309.27,112.02) v1(309.27,110.14) ; v1(309.27,88.2) v1(309.27,86.33)
  Bottom w0.2: U2.3 314.17,48.42 arc(319.74,49.53) 324.46,52.69 332.41,60.63 arc(332.71,60.84) 333.08,60.91 arc(333.21,60.94) 333.33,61.01 v1(333.67,61.36)
  Bottom w0.4: 313.78,87.27 314.72,88.2 arc(315.37,89.18) 315.6,90.33 v1(315.6,104.4)
  Bottom w0.5: SW86.1 313.78,32.62 arc(314.44,34.22) 316.04,34.89 323.91,34.89 arc(325.1,34.39) 325.6,33.2 325.6,27.25 arc(324.79,23.21) 322.51,19.79 SW103.1
